# KiCad board panelized.kicad_pcb (continued)
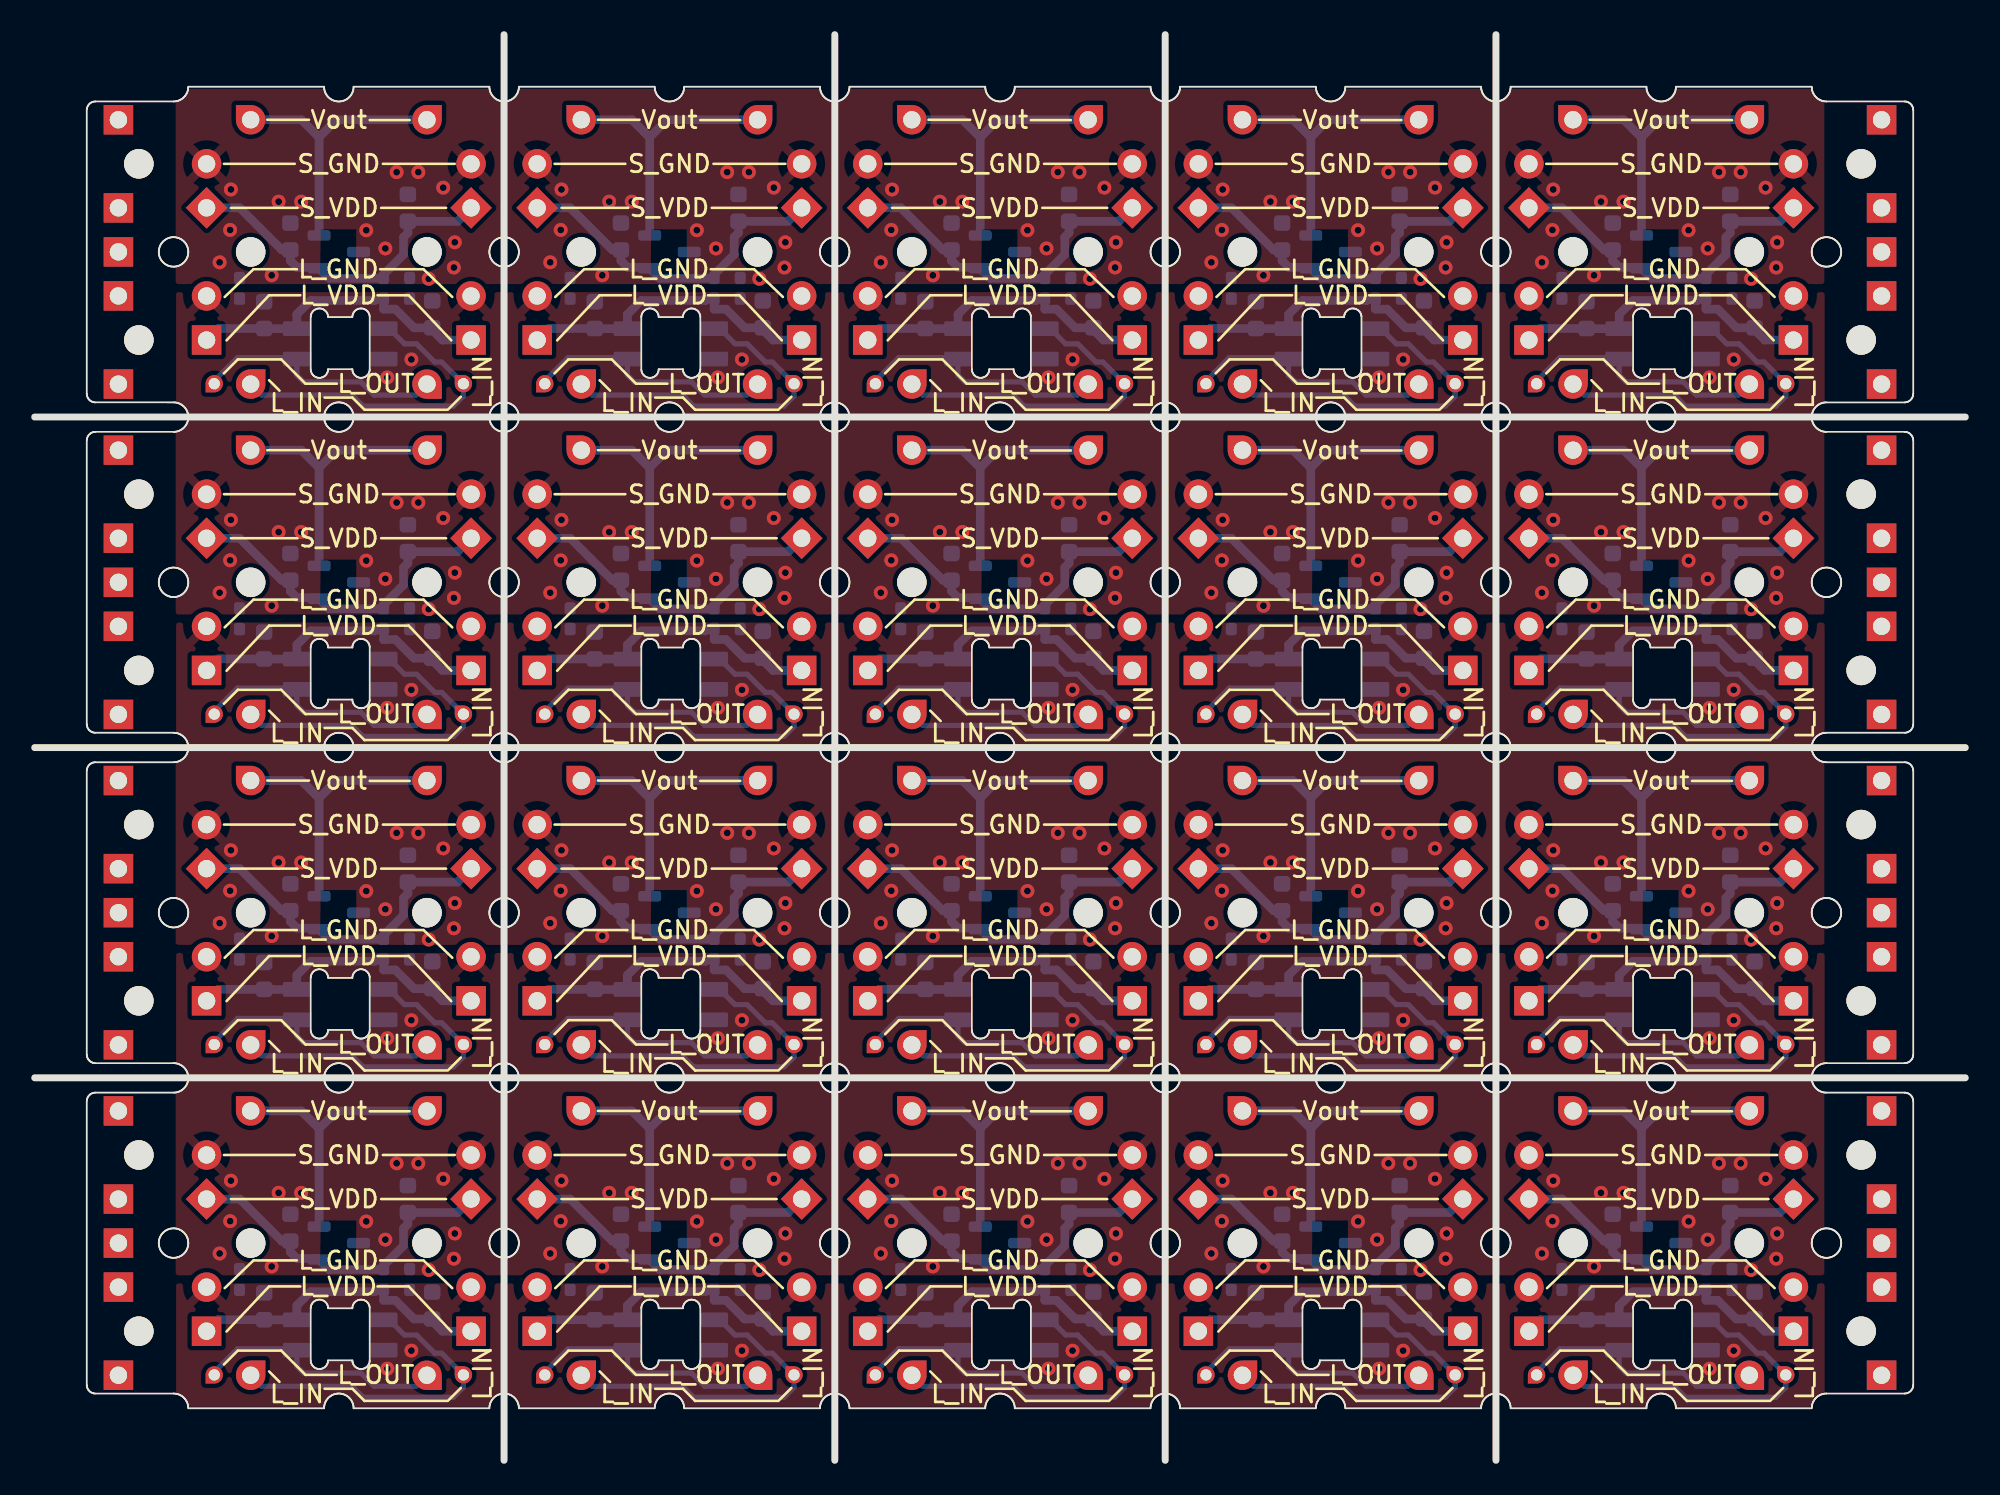
[diagram p0: board, top side]
## Routing (per net, layer and track width the routed paths; a pad name or vN(x,y) marks a point on that pad's centre or on a via; arc(x,y) is an arc through that point) (continued)
Board_2-VDD: length 17.9
  Bottom w0.5: C2#9.2 59.96,65.3 58.88,66.38 58.21,66.38 R3#11.1 57.81,66.98 57.71,66.88 54,66.88 53.21,66.08 D1#6.1 51.33,65.25 C1#7.2 48.67,65.26 J2#3.1 ; 61.09,65.1 61.59,64.59 J1#18.1
Board_2-VDDA: length 20.1
  Bottom w0.5: J6#8.1 62.47,71.44 C3#10.2 59.6,70.78 59.35,70.53 59.35,69.53 58.21,68.38 R3#11.2 58.18,68.15 55.06,68.15 54.43,68.79 53.21,68.79 52.83,69.17 52.83,69.79 52.34,69.79 49.91,72.22 J5#9.1
Board_2-Vout: length 16.7
  Bottom w0.5: 54.49,76.27 53.47,77.3 J10#4.1 ; 54.49,76.27 U1#8.2 ; 54.49,76.27 54.49,76.28 55.5,77.3 J9#11.1
Board_3-GNDA:
  vias: v1(67.81,69.08) v1(68.46,73.28) v1(68.41,70.94) v1(70.81,68.33) v1(71.21,72.58) v1(72.5,72.58) v1(76.25,70.93) v1(77.35,69.88) v1(78,74.28) v1(79.25,74.28) v1(79.85,68.12) v1(80.69,73.38) v1(81.36,70.23) v1(81.31,68.78)
Board_3-GNDD:
  vias: v1(77.47,62.44) v1(78.85,63.48)
Board_3-LED_IN: length 19.7
  Bottom w0.3: J14#8.1 70.23,61.42 75.44,61.42 76.07,60.79 81.28,60.79 81.85,61.36 J13#10.1 80.6,63.33 80.21,63.33 79.16,64.38 78.46,64.38 77.58,65.25 D1#16.4
Board_3-LED_OUT: length 14.7
  Bottom w0.3: J12#9.1 79.12,61.42 76.71,61.42 75.94,62.18 72.64,62.18 72.25,62.57 D1#16.2 72.18,63.58 68.83,63.58 67.5,62.24 J11#12.1
Board_3-VDD: length 17.9
  Bottom w0.5: C2#2.2 79.01,65.3 77.93,66.38 77.25,66.38 R3.1 76.86,66.98 76.75,66.88 73.06,66.88 72.25,66.08 D1#16.1 70.38,65.25 C1#3.2 67.72,65.26 J2#15.1 ; 80.14,65.1 80.64,64.59 J1#12.1
Board_3-VDDA: length 20.1
  Bottom w0.5: J6#6.1 81.52,71.44 C3#20.2 78.66,70.78 78.41,70.53 78.41,69.53 77.25,68.38 R3.2 77.23,68.15 74.11,68.15 73.48,68.79 72.26,68.79 71.88,69.17 71.88,69.79 71.39,69.79 68.96,72.22 J5#16.1
Board_3-Vout: length 16.7
  Bottom w0.5: 73.54,76.27 72.52,77.3 J10#7.1 ; 73.54,76.27 U1#19.2 ; 73.54,76.27 73.54,76.28 74.55,77.3 J9.1
Board_4-GNDA:
  vias: v1(86.85,69.08) v1(87.46,70.94) v1(87.5,73.28) v1(89.85,68.33) v1(90.25,72.58) v1(91.56,72.58) v1(95.31,70.93) v1(96.41,69.88) v1(97.06,74.28) v1(98.31,74.28) v1(98.91,68.12) v1(99.74,73.38) v1(100.35,68.78) v1(100.41,70.23)
Board_4-GNDD:
  vias: v1(96.52,62.44) v1(97.91,63.48)
Board_4-LED_IN: length 19.7
  Bottom w0.3: J14.1 89.28,61.42 94.49,61.42 95.12,60.79 100.33,60.79 100.91,61.36 J13#6.1 99.66,63.33 99.25,63.33 98.21,64.38 97.5,64.38 96.63,65.25 D1#3.4
Board_4-LED_OUT: length 14.7
  Bottom w0.3: J12#7.1 98.17,61.42 95.76,61.42 95,62.18 91.69,62.18 91.31,62.57 D1#3.2 91.23,63.58 87.88,63.58 86.54,62.24 J11#20.1
Board_4-VDD: length 17.9
  Bottom w0.5: C2#7.2 98.06,65.3 96.98,66.38 96.31,66.38 R3#8.1 95.91,66.98 95.81,66.88 92.1,66.88 91.31,66.08 D1#3.1 89.43,65.25 C1#14.2 86.77,65.26 J2#17.1 ; 99.19,65.1 99.69,64.59 J1#5.1
Board_4-VDDA: length 20.1
  Bottom w0.5: J6#14.1 100.57,71.44 C3#16.2 97.71,70.78 97.46,70.53 97.46,69.53 96.31,68.38 R3#8.2 96.28,68.15 93.16,68.15 92.53,68.79 91.31,68.79 90.93,69.17 90.93,69.79 90.44,69.79 88.01,72.22 J5#7.1
Board_4-Vout: length 16.7
  Bottom w0.5: 92.59,76.27 91.57,77.3 J10#5.1 ; 92.59,76.27 U1#4.2 ; 92.59,76.27 92.59,76.28 93.6,77.3 J9#13.1
Board_5-GNDA:
  vias: v1(10.66,50.03) v1(11.26,51.89) v1(11.31,54.23) v1(13.66,49.28) v1(14.06,53.53) v1(15.36,53.53) v1(19.11,51.88) v1(20.2,50.83) v1(20.86,55.23) v1(22.11,55.23) v1(22.7,49.08) v1(23.54,54.33) v1(24.16,49.73) v1(24.21,51.18)
Board_5-GNDD:
  vias: v1(20.32,43.39) v1(21.7,44.43)
Board_5-LED_IN: length 19.7
  Bottom w0.3: J14#11.1 13.08,42.37 18.29,42.37 18.92,41.73 24.13,41.73 24.7,42.31 J13#11.1 23.45,44.28 23.06,44.28 22,45.33 21.31,45.33 20.43,46.2 D1#9.4
Board_5-LED_OUT: length 14.7
  Bottom w0.3: J12#2.1 21.97,42.37 19.56,42.37 18.8,43.13 15.49,43.13 15.11,43.52 D1#9.2 15.03,44.53 11.68,44.53 10.34,43.19 J11#6.1
Board_5-VDD: length 17.9
  Bottom w0.5: C2#14.2 21.86,46.25 20.78,47.33 20.11,47.33 R3#6.1 19.71,47.93 19.61,47.83 15.91,47.83 15.11,47.03 D1#9.1 13.23,46.2 C1#6.2 10.57,46.21 J2#16.1 ; 22.99,46.05 23.49,45.55 J1#17.1
Board_5-VDDA: length 20.1
  Bottom w0.5: J6#2.1 24.37,52.39 C3#12.2 21.5,51.73 21.25,51.48 21.25,50.48 20.11,49.33 R3#6.2 20.08,49.1 16.96,49.1 16.33,49.74 15.11,49.74 14.73,50.12 C4#7.2 14.24,50.74 11.81,53.17 J5#8.1
Board_5-Vout: length 16.7
  Bottom w0.5: 16.39,57.22 15.37,58.25 J10#17.1 ; 16.39,57.22 U1#13.2 ; 16.39,57.22 16.39,57.23 17.4,58.25 J9#18.1
Board_6-GNDA:
  vias: v1(29.7,50.03) v1(30.36,54.23) v1(30.31,51.89) v1(32.7,49.28) v1(33.11,53.53) v1(34.41,53.53) v1(38.16,51.88) v1(39.25,50.83) v1(39.91,55.23) v1(41.16,55.23) v1(41.75,49.08) v1(42.59,54.33) v1(43.26,51.18) v1(43.21,49.73)
Board_6-GNDD:
  vias: v1(39.37,43.39) v1(40.75,44.43)
Board_6-LED_IN: length 19.7
  Bottom w0.3: J14#12.1 32.13,42.37 37.34,42.37 37.97,41.73 43.18,41.73 43.75,42.31 J13#7.1 42.5,44.28 42.1,44.28 41.06,45.33 40.35,45.33 39.48,46.2 D1#19.4
Board_6-LED_OUT: length 14.7
  Bottom w0.3: J12#12.1 41.02,42.37 38.61,42.37 37.84,43.13 34.54,43.13 34.16,43.52 D1#19.2 34.08,44.53 30.73,44.53 29.39,43.19 J11#13.1
Board_6-VDD: length 17.9
  Bottom w0.5: C2#11.2 40.91,46.25 39.83,47.33 39.16,47.33 R3#10.1 38.76,47.93 38.66,47.83 34.95,47.83 34.16,47.03 D1#19.1 32.28,46.2 C1#12.2 29.62,46.21 J2#10.1 ; 42.04,46.05 42.54,45.55 J1#14.1
Board_6-VDDA: length 20.1
  Bottom w0.5: J6#5.1 43.42,52.39 C3#8.2 40.56,51.73 40.31,51.48 40.31,50.48 39.16,49.33 R3#10.2 39.13,49.1 36.01,49.1 35.38,49.74 34.16,49.74 33.78,50.12 C4#18.2 33.29,50.74 30.86,53.17 J5#15.1
Board_6-Vout: length 16.7
  Bottom w0.5: 35.44,57.22 34.42,58.25 J10#3.1 ; 35.44,57.22 U1#12.2 ; 35.44,57.22 35.44,57.23 36.45,58.25 J9#5.1
Board_7-GNDA:
  vias: v1(48.75,50.03) v1(49.36,51.89) v1(49.41,54.23) v1(51.75,49.28) v1(52.16,53.53) v1(53.46,53.53) v1(57.21,51.88) v1(58.31,50.83) v1(58.96,55.23) v1(60.21,55.23) v1(60.81,49.08) v1(61.64,54.33) v1(62.25,49.73) v1(62.31,51.18)
Board_7-GNDD:
  vias: v1(58.42,43.39) v1(59.81,44.43)
Board_7-LED_IN: length 19.7
  Bottom w0.3: J14#17.1 51.18,42.37 56.39,42.37 57.02,41.73 62.23,41.73 62.81,42.31 J13#17.1 61.56,44.28 61.16,44.28 60.1,45.33 59.41,45.33 58.53,46.2 D1#18.4
Board_7-LED_OUT: length 14.7
  Bottom w0.3: J12#4.1 60.07,42.37 57.66,42.37 56.9,43.13 53.59,43.13 53.21,43.52 D1#18.2 53.13,44.53 49.78,44.53 48.44,43.19 J11#2.1
Board_7-VDD: length 17.9
  Bottom w0.5: C2#6.2 59.96,46.25 58.88,47.33 58.21,47.33 R3#20.1 57.81,47.93 57.71,47.83 54,47.83 53.21,47.03 D1#18.1 51.33,46.2 C1#17.2 48.67,46.21 J2#11.1 ; 61.09,46.05 61.59,45.55 J1#15.1
Board_7-VDDA: length 20.1
  Bottom w0.5: J6.1 62.47,52.39 C3#13.2 59.6,51.73 59.35,51.48 59.35,50.48 58.21,49.33 R3#20.2 58.18,49.1 55.06,49.1 54.43,49.74 53.21,49.74 52.83,50.12 C4#15.2 52.34,50.74 49.91,53.17 J5#5.1
Board_7-Vout: length 16.7
  Bottom w0.5: 54.49,57.22 53.47,58.25 J10#18.1 ; 54.49,57.22 U1#18.2 ; 54.49,57.22 54.49,57.23 55.5,58.25 J9#16.1
Board_8-GNDA:
  vias: v1(67.81,50.03) v1(68.46,54.23) v1(68.41,51.89) v1(70.81,49.28) v1(71.21,53.53) v1(72.5,53.53) v1(76.25,51.88) v1(77.35,50.83) v1(78,55.23) v1(79.25,55.23) v1(79.85,49.08) v1(80.69,54.33) v1(81.36,51.18) v1(81.31,49.73)
Board_8-GNDD:
  vias: v1(77.47,43.39) v1(78.85,44.43)
Board_8-LED_IN: length 19.7
  Bottom w0.3: J14#16.1 70.23,42.37 75.44,42.37 76.07,41.73 81.28,41.73 81.85,42.31 J13#14.1 80.6,44.28 80.21,44.28 79.16,45.33 78.46,45.33 77.58,46.2 D1#20.4
Board_8-LED_OUT: length 14.7
  Bottom w0.3: J12#11.1 79.12,42.37 76.71,42.37 75.94,43.13 72.64,43.13 72.25,43.52 D1#20.2 72.18,44.53 68.83,44.53 67.5,43.19 J11#14.1
Board_8-VDD: length 17.9
  Bottom w0.5: C2#3.2 79.01,46.25 77.93,47.33 77.25,47.33 R3#4.1 76.86,47.93 76.75,47.83 73.06,47.83 72.25,47.03 D1#20.1 70.38,46.2 C1#10.2 67.72,46.21 J2#2.1 ; 80.14,46.05 80.64,45.55 J1#4.1
Board_8-VDDA: length 20.1
  Bottom w0.5: J6#7.1 81.52,52.39 C3#18.2 78.66,51.73 78.41,51.48 78.41,50.48 77.25,49.33 R3#4.2 77.23,49.1 74.11,49.1 73.48,49.74 72.26,49.74 71.88,50.12 C4#4.2 71.39,50.74 68.96,53.17 J5#18.1
Board_8-Vout: length 16.7
  Bottom w0.5: 73.54,57.22 72.52,58.25 J10#8.1 ; 73.54,57.22 U1#11.2 ; 73.54,57.22 73.54,57.23 74.55,58.25 J9#19.1
Board_9-GNDA:
  vias: v1(86.85,50.03) v1(87.46,51.89) v1(87.5,54.23) v1(89.85,49.28) v1(90.25,53.53) v1(91.56,53.53) v1(95.31,51.88) v1(96.41,50.83) v1(97.06,55.23) v1(98.31,55.23) v1(98.91,49.08) v1(99.74,54.33) v1(100.35,49.73) v1(100.41,51.18)
Board_9-GNDD:
  vias: v1(96.52,43.39) v1(97.91,44.43)
Board_9-LED_IN: length 19.7
  Bottom w0.3: J14#5.1 89.28,42.37 94.49,42.37 95.12,41.73 100.33,41.73 100.91,42.31 J13#20.1 99.66,44.28 99.25,44.28 98.21,45.33 97.5,45.33 96.63,46.2 D1#2.4
Board_9-LED_OUT: length 14.7
  Bottom w0.3: J12#3.1 98.17,42.37 95.76,42.37 95,43.13 91.69,43.13 91.31,43.52 D1#2.2 91.23,44.53 87.88,44.53 86.54,43.19 J11#5.1
Board_9-VDD: length 17.9
  Bottom w0.5: C2#4.2 98.06,46.25 96.98,47.33 96.31,47.33 R3#9.1 95.91,47.93 95.81,47.83 92.1,47.83 91.31,47.03 D1#2.1 89.43,46.2 C1#20.2 86.77,46.21 J2#20.1 ; 99.19,46.05 99.69,45.55 J1#13.1
Board_9-VDDA: length 20.1
  Bottom w0.5: J6#9.1 100.57,52.39 C3.2 97.71,51.73 97.46,51.48 97.46,50.48 96.31,49.33 R3#9.2 96.28,49.1 93.16,49.1 92.53,49.74 91.31,49.74 90.93,50.12 C4#2.2 90.44,50.74 88.01,53.17 J5#2.1
Board_9-Vout: length 16.7
  Bottom w0.5: 92.59,57.22 91.57,58.25 J10#13.1 ; 92.59,57.22 U1.2 ; 92.59,57.22 92.59,57.23 93.6,58.25 J9#20.1
Board_10-GNDA:
  vias: v1(10.66,30.98) v1(11.26,32.84) v1(11.31,35.17) v1(13.66,30.23) v1(14.06,34.48) v1(15.36,34.48) v1(19.11,32.83) v1(20.2,31.78) v1(20.86,36.18) v1(22.11,36.18) v1(22.7,30.03) v1(23.54,35.28) v1(24.16,30.67) v1(24.21,32.13)
Board_10-GNDD:
  vias: v1(20.32,24.34) v1(21.7,25.38)
Board_10-LED_IN: length 19.7
  Bottom w0.3: J14#13.1 13.08,23.32 18.29,23.32 18.92,22.69 24.13,22.69 24.7,23.26 J13#4.1 23.45,25.23 23.06,25.23 22,26.28 21.31,26.28 20.43,27.15 D1.4
Board_10-LED_OUT: length 14.7
  Bottom w0.3: J12#13.1 21.97,23.32 19.56,23.32 18.8,24.08 15.49,24.08 15.11,24.47 D1.2 15.03,25.48 11.68,25.48 10.34,24.14 J11#7.1
Board_10-VDD: length 17.9
  Bottom w0.5: C2#20.2 21.86,27.2 20.78,28.28 20.11,28.28 R3#12.1 19.71,28.88 19.61,28.78 15.91,28.78 15.11,27.98 D1.1 13.23,27.15 C1#15.2 10.57,27.16 J2#7.1 ; 22.99,27 23.49,26.5 J1#3.1
Board_10-VDDA: length 20.1
  Bottom w0.5: J6#15.1 24.37,33.34 C3#6.2 21.5,32.67 21.25,32.42 21.25,31.42 20.11,30.28 R3#12.2 20.08,30.05 16.96,30.05 U1#2.1 16.33,30.69 15.11,30.69 14.73,31.07 C4#12.2 14.24,31.69 11.81,34.12 J5#6.1
Board_10-Vout: length 16.7
  Bottom w0.5: 16.39,38.17 15.37,39.2 J10#9.1 ; 16.39,38.17 U1#2.2 ; 16.39,38.17 16.39,38.18 17.4,39.2 J9#7.1
Board_11-GNDA:
  vias: v1(29.7,30.98) v1(30.36,35.17) v1(30.31,32.84) v1(32.7,30.23) v1(33.11,34.48) v1(34.41,34.48) v1(38.16,32.83) v1(39.25,31.78) v1(39.91,36.18) v1(41.16,36.18) v1(41.75,30.03) v1(42.59,35.28) v1(43.26,32.13) v1(43.21,30.67)
Board_11-GNDD:
  vias: v1(39.37,24.34) v1(40.75,25.38)
Board_11-LED_IN: length 19.7
  Bottom w0.3: J14#20.1 32.13,23.32 37.34,23.32 37.97,22.69 43.18,22.69 43.75,23.26 J13#5.1 42.5,25.23 42.1,25.23 41.06,26.28 40.35,26.28 39.48,27.15 D1#15.4
Board_11-LED_OUT: length 14.7
  Bottom w0.3: J12#5.1 41.02,23.32 38.61,23.32 37.84,24.08 34.54,24.08 34.16,24.47 D1#15.2 34.08,25.48 30.73,25.48 29.39,24.14 J11#19.1
Board_11-VDD: length 17.9
  Bottom w0.5: C2.2 40.91,27.2 39.83,28.28 39.16,28.28 R3#13.1 38.76,28.88 38.66,28.78 34.95,28.78 34.16,27.98 D1#15.1 32.28,27.15 C1#13.2 29.62,27.16 J2#13.1 ; 42.04,27 42.54,26.5 J1#9.1
Board_11-VDDA: length 20.1
  Bottom w0.5: J6#16.1 43.42,33.34 C3#9.2 40.56,32.67 40.31,32.42 40.31,31.42 39.16,30.28 R3#13.2 39.13,30.05 36.01,30.05 U1#5.1 35.38,30.69 34.16,30.69 33.78,31.07 C4#9.2 33.29,31.69 30.86,34.12 J5#13.1
Board_11-Vout: length 16.7
  Bottom w0.5: 35.44,38.17 34.42,39.2 J10#16.1 ; 35.44,38.17 U1#5.2 ; 35.44,38.17 35.44,38.18 36.45,39.2 J9#8.1
Board_12-GNDA:
  vias: v1(48.75,30.98) v1(49.36,32.84) v1(49.41,35.17) v1(51.75,30.23) v1(52.16,34.48) v1(53.46,34.48) v1(57.21,32.83) v1(58.31,31.78) v1(58.96,36.18) v1(60.21,36.18) v1(60.81,30.03) v1(61.64,35.28) v1(62.25,30.67) v1(62.31,32.13)
Board_12-GNDD:
  vias: v1(58.42,24.34) v1(59.81,25.38)
Board_12-LED_IN: length 19.7
  Bottom w0.3: J14#6.1 51.18,23.32 56.39,23.32 57.02,22.69 62.23,22.69 62.81,23.26 J13.1 61.56,25.23 61.16,25.23 60.1,26.28 59.41,26.28 58.53,27.15 D1#4.4
Board_12-LED_OUT: length 14.7
  Bottom w0.3: J12#14.1 60.07,23.32 57.66,23.32 56.9,24.08 53.59,24.08 53.21,24.47 D1#4.2 53.13,25.48 49.78,25.48 48.44,24.14 J11#18.1
Board_12-VDD: length 17.9
  Bottom w0.5: C2#13.2 59.96,27.2 58.88,28.28 58.21,28.28 R3#7.1 57.81,28.88 57.71,28.78 54,28.78 53.21,27.98 D1#4.1 51.33,27.15 C1.2 48.67,27.16 J2#5.1 ; 61.09,27 61.59,26.5 J1#6.1
Board_12-VDDA: length 20.1
  Bottom w0.5: J6#4.1 62.47,33.34 C3#11.2 59.6,32.67 59.35,32.42 59.35,31.42 58.21,30.28 R3#7.2 58.18,30.05 55.06,30.05 U1#15.1 54.43,30.69 53.21,30.69 52.83,31.07 C4#3.2 52.34,31.69 49.91,34.12 J5#14.1
Board_12-Vout: length 16.7
  Bottom w0.5: 54.49,38.17 53.47,39.2 J10#10.1 ; 54.49,38.17 U1#15.2 ; 54.49,38.17 54.49,38.18 55.5,39.2 J9#17.1
Board_13-GNDA:
  vias: v1(67.81,30.98) v1(68.46,35.17) v1(68.41,32.84) v1(70.81,30.23) v1(71.21,34.48) v1(72.5,34.48) v1(76.25,32.83) v1(77.35,31.78) v1(78,36.18) v1(79.25,36.18) v1(79.85,30.03) v1(80.69,35.28) v1(81.36,32.13) v1(81.31,30.67)
Board_13-GNDD:
  vias: v1(77.47,24.34) v1(78.85,25.38)
Board_13-LED_IN: length 19.7
  Bottom w0.3: J14#10.1 70.23,23.32 75.44,23.32 76.07,22.69 81.28,22.69 81.85,23.26 J13#2.1 80.6,25.23 80.21,25.23 79.16,26.28 78.46,26.28 77.58,27.15 D1#7.4
Board_13-LED_OUT: length 14.7
  Bottom w0.3: J12#20.1 79.12,23.32 76.71,23.32 75.94,24.08 72.64,24.08 72.25,24.47 D1#7.2 72.18,25.48 68.83,25.48 67.5,24.14 J11#9.1
Board_13-VDD: length 17.9
  Bottom w0.5: C2#19.2 79.01,27.2 77.93,28.28 77.25,28.28 R3#17.1 76.86,28.88 76.75,28.78 73.06,28.78 72.25,27.98 D1#7.1 70.38,27.15 C1#11.2 67.72,27.16 J2#12.1 ; 80.14,27 80.64,26.5 J1#10.1
Board_13-VDDA: length 20.1
  Bottom w0.5: J6#12.1 81.52,33.34 C3#5.2 78.66,32.67 78.41,32.42 78.41,31.42 77.25,30.28 R3#17.2 77.23,30.05 74.11,30.05 U1#16.1 73.48,30.69 72.26,30.69 71.88,31.07 C4#10.2 71.39,31.69 68.96,34.12 J5#17.1
Board_13-Vout: length 16.7
  Bottom w0.5: 73.54,38.17 72.52,39.2 J10#19.1 ; 73.54,38.17 U1#16.2 ; 73.54,38.17 73.54,38.18 74.55,39.2 J9#3.1
Board_14-GNDA:
  vias: v1(86.85,30.98) v1(87.46,32.84) v1(87.5,35.17) v1(89.85,30.23) v1(90.25,34.48) v1(91.56,34.48) v1(95.31,32.83) v1(96.41,31.78) v1(97.06,36.18) v1(98.31,36.18) v1(98.91,30.03) v1(99.74,35.28) v1(100.35,30.67) v1(100.41,32.13)
Board_14-GNDD:
  vias: v1(96.52,24.34) v1(97.91,25.38)
Board_14-LED_IN: length 19.7
  Bottom w0.3: J14#7.1 89.28,23.32 94.49,23.32 95.12,22.69 100.33,22.69 100.91,23.26 J13#18.1 99.66,25.23 99.25,25.23 98.21,26.28 97.5,26.28 96.63,27.15 D1#13.4
Board_14-LED_OUT: length 14.7
  Bottom w0.3: J12#16.1 98.17,23.32 95.76,23.32 95,24.08 91.69,24.08 91.31,24.47 D1#13.2 91.23,25.48 87.88,25.48 86.54,24.14 J11#8.1
Board_14-VDD: length 17.9
  Bottom w0.5: C2#8.2 98.06,27.2 96.98,28.28 96.31,28.28 R3#18.1 95.91,28.88 95.81,28.78 92.1,28.78 91.31,27.98 D1#13.1 89.43,27.15 C1#16.2 86.77,27.16 J2.1 ; 99.19,27 99.69,26.5 J1#2.1
Board_14-VDDA: length 20.1
  Bottom w0.5: J6#13.1 100.57,33.34 C3#2.2 97.71,32.67 97.46,32.42 97.46,31.42 96.31,30.28 R3#18.2 96.28,30.05 93.16,30.05 U1#17.1 92.53,30.69 91.31,30.69 90.93,31.07 C4#17.2 90.44,31.69 88.01,34.12 J5#19.1
Board_14-Vout: length 16.7
  Bottom w0.5: 92.59,38.17 91.57,39.2 J10#11.1 ; 92.59,38.17 U1#17.2 ; 92.59,38.17 92.59,38.18 93.6,39.2 J9#6.1
Board_15-GNDA:
  vias: v1(10.66,11.92) v1(11.26,13.79) v1(11.31,16.12) v1(13.66,11.17) v1(14.06,15.42) v1(15.36,15.42) v1(19.11,13.78) v1(20.2,12.73) v1(20.86,17.12) v1(22.11,17.12) v1(22.7,10.98) v1(23.54,16.23) v1(24.16,11.62) v1(24.21,13.08)
Board_15-GNDD:
  vias: v1(20.32,5.29) v1(21.7,6.33)
Board_15-LED_IN: length 19.7
  Bottom w0.3: J14#9.1 13.08,4.27 18.29,4.27 18.92,3.64 24.13,3.64 24.7,4.21 J13#19.1 23.45,6.17 23.06,6.17 22,7.23 21.31,7.23 20.43,8.1 D1#8.4
Board_15-LED_OUT: length 14.7
  Bottom w0.3: J12#19.1 21.97,4.27 19.56,4.27 18.8,5.03 15.49,5.03 15.11,5.42 D1#8.2 15.03,6.43 11.68,6.43 10.34,5.09 J11#16.1
Board_15-VDD: length 17.9
  Bottom w0.5: C2#17.2 21.86,8.15 20.78,9.23 20.11,9.23 R3#19.1 19.71,9.83 19.61,9.73 15.91,9.73 15.11,8.92 D1#8.1 13.23,8.1 C1#4.2 10.57,8.11 J2#18.1 ; 22.99,7.95 23.49,7.45 J1#20.1
Board_15-VDDA: length 20.1
  Bottom w0.5: J6#3.1 24.37,14.29 C3#7.2 21.5,13.62 21.25,13.38 21.25,12.38 20.11,11.23 R3#19.2 20.08,11 16.96,11 U1#10.1 16.33,11.64 15.11,11.64 14.73,12.02 C4#16.2 14.24,12.64 11.81,15.06 J5#10.1
Board_15-Vout: length 16.7
  Bottom w0.5: 16.39,19.12 15.37,20.14 J10#15.1 ; 16.39,19.12 U1#10.2 ; 16.39,19.12 16.39,19.13 17.4,20.14 J9#10.1
Board_16-GNDA:
  vias: v1(29.7,11.92) v1(30.36,16.12) v1(30.31,13.79) v1(32.7,11.17) v1(33.11,15.42) v1(34.41,15.42) v1(38.16,13.78) v1(39.25,12.73) v1(39.91,17.12) v1(41.16,17.12) v1(41.75,10.98) v1(42.59,16.23) v1(43.26,13.08) v1(43.21,11.62)
Board_16-GNDD:
  vias: v1(39.37,5.29) v1(40.75,6.33)
Board_16-LED_IN: length 19.7
  Bottom w0.3: J14#15.1 32.13,4.27 37.34,4.27 37.97,3.64 43.18,3.64 43.75,4.21 J13#15.1 42.5,6.17 42.1,6.17 41.06,7.23 40.35,7.23 39.48,8.1 D1#11.4
Board_16-LED_OUT: length 14.7
  Bottom w0.3: J12#17.1 41.02,4.27 38.61,4.27 37.84,5.03 34.54,5.03 34.16,5.42 D1#11.2 34.08,6.43 30.73,6.43 29.39,5.09 J11#4.1
Board_16-VDD: length 17.9
  Bottom w0.5: C2#18.2 40.91,8.15 39.83,9.23 39.16,9.23 R3#15.1 38.76,9.83 38.66,9.73 34.95,9.73 34.16,8.92 D1#11.1 32.28,8.1 C1#18.2 29.62,8.11 J2#19.1 ; 42.04,7.95 42.54,7.45 J1#7.1
Board_16-VDDA: length 20.1
  Bottom w0.5: J6#11.1 43.42,14.29 C3#4.2 40.56,13.62 40.31,13.38 40.31,12.38 39.16,11.23 R3#15.2 39.13,11 36.01,11 U1#6.1 35.38,11.64 34.16,11.64 33.78,12.02 C4#20.2 33.29,12.64 30.86,15.06 J5#11.1
Board_16-Vout: length 16.7
  Bottom w0.5: 35.44,19.12 34.42,20.14 J10#14.1 ; 35.44,19.12 U1#6.2 ; 35.44,19.12 35.44,19.13 36.45,20.14 J9#9.1
Board_17-GNDA:
  vias: v1(48.75,11.92) v1(49.36,13.79) v1(49.41,16.12) v1(51.75,11.17) v1(52.16,15.42) v1(53.46,15.42) v1(57.21,13.78) v1(58.31,12.73) v1(58.96,17.12) v1(60.21,17.12) v1(60.81,10.98) v1(61.64,16.23) v1(62.25,11.62) v1(62.31,13.08)
Board_17-GNDD:
  vias: v1(58.42,5.29) v1(59.81,6.33)
Board_17-LED_IN: length 19.7
  Bottom w0.3: J14#19.1 51.18,4.27 56.39,4.27 57.02,3.64 62.23,3.64 62.81,4.21 J13#8.1 61.56,6.17 61.16,6.17 60.1,7.23 59.41,7.23 58.53,8.1 D1#17.4
Board_17-LED_OUT: length 14.7
  Bottom w0.3: J12#18.1 60.07,4.27 57.66,4.27 56.9,5.03 53.59,5.03 53.21,5.42 D1#17.2 53.13,6.43 49.78,6.43 48.44,5.09 J11#3.1
Board_17-VDD: length 17.9
  Bottom w0.5: C2#12.2 59.96,8.15 58.88,9.23 58.21,9.23 R3#16.1 57.81,9.83 57.71,9.73 54,9.73 53.21,8.92 D1#17.1 51.33,8.1 C1#19.2 48.67,8.11 J2#6.1 ; 61.09,7.95 61.59,7.45 J1#8.1
Board_17-VDDA: length 20.1
  Bottom w0.5: J6#19.1 62.47,14.29 C3#17.2 59.6,13.62 59.35,13.38 59.35,12.38 58.21,11.23 R3#16.2 58.18,11 55.06,11 U1#9.1 54.43,11.64 53.21,11.64 52.83,12.02 C4#11.2 52.34,12.64 49.91,15.06 J5#4.1
Board_17-Vout: length 16.7
  Bottom w0.5: 54.49,19.12 53.47,20.14 J10#12.1 ; 54.49,19.12 U1#9.2 ; 54.49,19.12 54.49,19.13 55.5,20.14 J9#15.1
Board_18-GNDA:
  vias: v1(67.81,11.92) v1(68.46,16.12) v1(68.41,13.79) v1(70.81,11.17) v1(71.21,15.42) v1(72.5,15.42) v1(76.25,13.78) v1(77.35,12.73) v1(78,17.12) v1(79.25,17.12) v1(79.85,10.98) v1(80.69,16.23) v1(81.36,13.08) v1(81.31,11.62)
Board_18-GNDD:
  vias: v1(77.47,5.29) v1(78.85,6.33)
Board_18-LED_IN: length 19.7
  Bottom w0.3: J14#14.1 70.23,4.27 75.44,4.27 76.07,3.64 81.28,3.64 81.85,4.21 J13#13.1 80.6,6.17 80.21,6.17 79.16,7.23 78.46,7.23 77.58,8.1 D1#14.4
Board_18-LED_OUT: length 14.7
  Bottom w0.3: J12#15.1 79.12,4.27 76.71,4.27 75.94,5.03 72.64,5.03 72.25,5.42 D1#14.2 72.18,6.43 68.83,6.43 67.5,5.09 J11#10.1
Board_18-VDD: length 17.9
  Bottom w0.5: C2#10.2 79.01,8.15 77.93,9.23 77.25,9.23 R3#14.1 76.86,9.83 76.75,9.73 73.06,9.73 72.25,8.92 D1#14.1 70.38,8.1 C1#5.2 67.72,8.11 J2#4.1 ; 80.14,7.95 80.64,7.45 J1#19.1
Board_18-VDDA: length 20.1
  Bottom w0.5: J6#20.1 81.52,14.29 C3#3.2 78.66,13.62 78.41,13.38 78.41,12.38 77.25,11.23 R3#14.2 77.23,11 74.11,11 U1#3.1 73.48,11.64 72.26,11.64 71.88,12.02 C4#19.2 71.39,12.64 68.96,15.06 J5#12.1
Board_18-Vout: length 16.7
  Bottom w0.5: 73.54,19.12 72.52,20.14 J10#20.1 ; 73.54,19.12 U1#3.2 ; 73.54,19.12 73.54,19.13 74.55,20.14 J9#12.1
Board_19-GNDA:
  vias: v1(86.85,11.92) v1(87.46,13.79) v1(87.5,16.12) v1(89.85,11.17) v1(90.25,15.42) v1(91.56,15.42) v1(95.31,13.78) v1(96.41,12.73) v1(97.06,17.12) v1(98.31,17.12) v1(98.91,10.98) v1(99.74,16.23) v1(100.35,11.62) v1(100.41,13.08)
Board_19-GNDD:
  vias: v1(96.52,5.29) v1(97.91,6.33)
Board_19-LED_IN: length 19.7
  Bottom w0.3: J14#18.1 89.28,4.27 94.49,4.27 95.12,3.64 100.33,3.64 100.91,4.21 J13#12.1 99.66,6.17 99.25,6.17 98.21,7.23 97.5,7.23 96.63,8.1 D1#10.4
Board_19-LED_OUT: length 14.7
  Bottom w0.3: J12#6.1 98.17,4.27 95.76,4.27 95,5.03 91.69,5.03 91.31,5.42 D1#10.2 91.23,6.43 87.88,6.43 86.54,5.09 J11#17.1
Board_19-VDD: length 17.9
  Bottom w0.5: C2#16.2 98.06,8.15 96.98,9.23 96.31,9.23 R3#2.1 95.91,9.83 95.81,9.73 92.1,9.73 91.31,8.92 D1#10.1 89.43,8.1 C1#2.2 86.77,8.11 J2#9.1 ; 99.19,7.95 99.69,7.45 J1.1
Board_19-VDDA: length 20.1
  Bottom w0.5: J6#17.1 100.57,14.29 C3#15.2 97.71,13.62 97.46,13.38 97.46,12.38 96.31,11.23 R3#2.2 96.28,11 93.16,11 U1#7.1 92.53,11.64 91.31,11.64 90.93,12.02 C4#5.2 90.44,12.64 88.01,15.06 J5#3.1
Board_19-Vout: length 16.7
  Bottom w0.5: 92.59,19.12 91.57,20.14 J10#6.1 ; 92.59,19.12 U1#7.2 ; 92.59,19.12 92.59,19.13 93.6,20.14 J9#2.1

## Copper pours and planes (outline as drawn; the poured copper is in the pictures)
Board_0-GNDA on Top, Bottom: 8.12,79.08 26.92,79.08 26.92,67.82 8.12,67.82
Board_0-GNDD on Top, Bottom: 8.14,67.35 8.14,60.24 26.94,60.24 26.94,67.35
Board_1-GNDA on Top, Bottom: 27.17,79.08 45.97,79.08 45.97,67.82 27.17,67.82
Board_1-GNDD on Top, Bottom: 27.19,67.35 27.19,60.24 46,60.24 46,67.35
Board_2-GNDA on Top, Bottom: 46.22,79.08 65.03,79.08 65.03,67.82 46.22,67.82
Board_2-GNDD on Top, Bottom: 46.25,67.35 46.25,60.24 65.04,60.24 65.04,67.35
Board_3-GNDA on Top, Bottom: 65.28,79.08 84.07,79.08 84.07,67.82 65.28,67.82
Board_3-GNDD on Top, Bottom: 65.29,67.35 65.29,60.24 84.09,60.24 84.09,67.35
Board_4-GNDA on Top, Bottom: 84.32,79.08 103.12,79.08 103.12,67.82 84.32,67.82
Board_4-GNDD on Top, Bottom: 84.34,67.35 84.34,60.24 103.15,60.24 103.15,67.35
Board_5-GNDA on Top, Bottom: 8.12,60.03 26.92,60.03 26.92,48.77 8.12,48.77
Board_5-GNDD on Top, Bottom: 8.14,48.3 8.14,41.19 26.94,41.19 26.94,48.3
Board_6-GNDA on Top, Bottom: 27.17,60.03 45.97,60.03 45.97,48.77 27.17,48.77
Board_6-GNDD on Top, Bottom: 27.19,48.3 27.19,41.19 46,41.19 46,48.3
Board_7-GNDA on Top, Bottom: 46.22,60.03 65.03,60.03 65.03,48.77 46.22,48.77
Board_7-GNDD on Top, Bottom: 46.25,48.3 46.25,41.19 65.04,41.19 65.04,48.3
Board_8-GNDA on Top, Bottom: 65.28,60.03 84.07,60.03 84.07,48.77 65.28,48.77
Board_8-GNDD on Top, Bottom: 65.29,48.3 65.29,41.19 84.09,41.19 84.09,48.3
Board_9-GNDA on Top, Bottom: 84.32,60.03 103.12,60.03 103.12,48.77 84.32,48.77
Board_9-GNDD on Top, Bottom: 84.34,48.3 84.34,41.19 103.15,41.19 103.15,48.3
Board_10-GNDA on Top, Bottom: 8.12,40.98 26.92,40.98 26.92,29.72 8.12,29.72
Board_10-GNDD on Top, Bottom: 8.14,29.25 8.14,22.14 26.94,22.14 26.94,29.25
Board_11-GNDA on Top, Bottom: 27.17,40.98 45.97,40.98 45.97,29.72 27.17,29.72
Board_11-GNDD on Top, Bottom: 27.19,29.25 27.19,22.14 46,22.14 46,29.25
Board_12-GNDA on Top, Bottom: 46.22,40.98 65.03,40.98 65.03,29.72 46.22,29.72
Board_12-GNDD on Top, Bottom: 46.25,29.25 46.25,22.14 65.04,22.14 65.04,29.25
Board_13-GNDA on Top, Bottom: 65.28,40.98 84.07,40.98 84.07,29.72 65.28,29.72
Board_13-GNDD on Top, Bottom: 65.29,29.25 65.29,22.14 84.09,22.14 84.09,29.25
Board_14-GNDA on Top, Bottom: 84.32,40.98 103.12,40.98 103.12,29.72 84.32,29.72
Board_14-GNDD on Top, Bottom: 84.34,29.25 84.34,22.14 103.15,22.14 103.15,29.25
Board_15-GNDA on Top, Bottom: 8.12,21.93 26.92,21.93 26.92,10.67 8.12,10.67
Board_15-GNDD on Top, Bottom: 8.14,10.2 8.14,3.09 26.94,3.09 26.94,10.2
Board_16-GNDA on Top, Bottom: 27.17,21.93 45.97,21.93 45.97,10.67 27.17,10.67
Board_16-GNDD on Top, Bottom: 27.19,10.2 27.19,3.09 46,3.09 46,10.2
Board_17-GNDA on Top, Bottom: 46.22,21.93 65.03,21.93 65.03,10.67 46.22,10.67
Board_17-GNDD on Top, Bottom: 46.25,10.2 46.25,3.09 65.04,3.09 65.04,10.2
Board_18-GNDA on Top, Bottom: 65.28,21.93 84.07,21.93 84.07,10.67 65.28,10.67
Board_18-GNDD on Top, Bottom: 65.29,10.2 65.29,3.09 84.09,3.09 84.09,10.2
Board_19-GNDA on Top, Bottom: 84.32,21.93 103.12,21.93 103.12,10.67 84.32,10.67
Board_19-GNDD on Top, Bottom: 84.34,10.2 84.34,3.09 103.15,3.09 103.15,10.2

## Text on the board
B.Silkscreen: Short     R3 / to share VDD | Short     R1&2 / to share GND | L_GND | LVDD | L_IN | Vout | S_GND | S_VDD | L_OUT
Edge.Cuts: V-CUT
F.Silkscreen: L_IN | L_GND | L_VDD | Vout | S_GND | S_VDD | L_OUT
